# Altium PCB PDB_PCB1.PcbDoc (part 1 of 2) (continued)
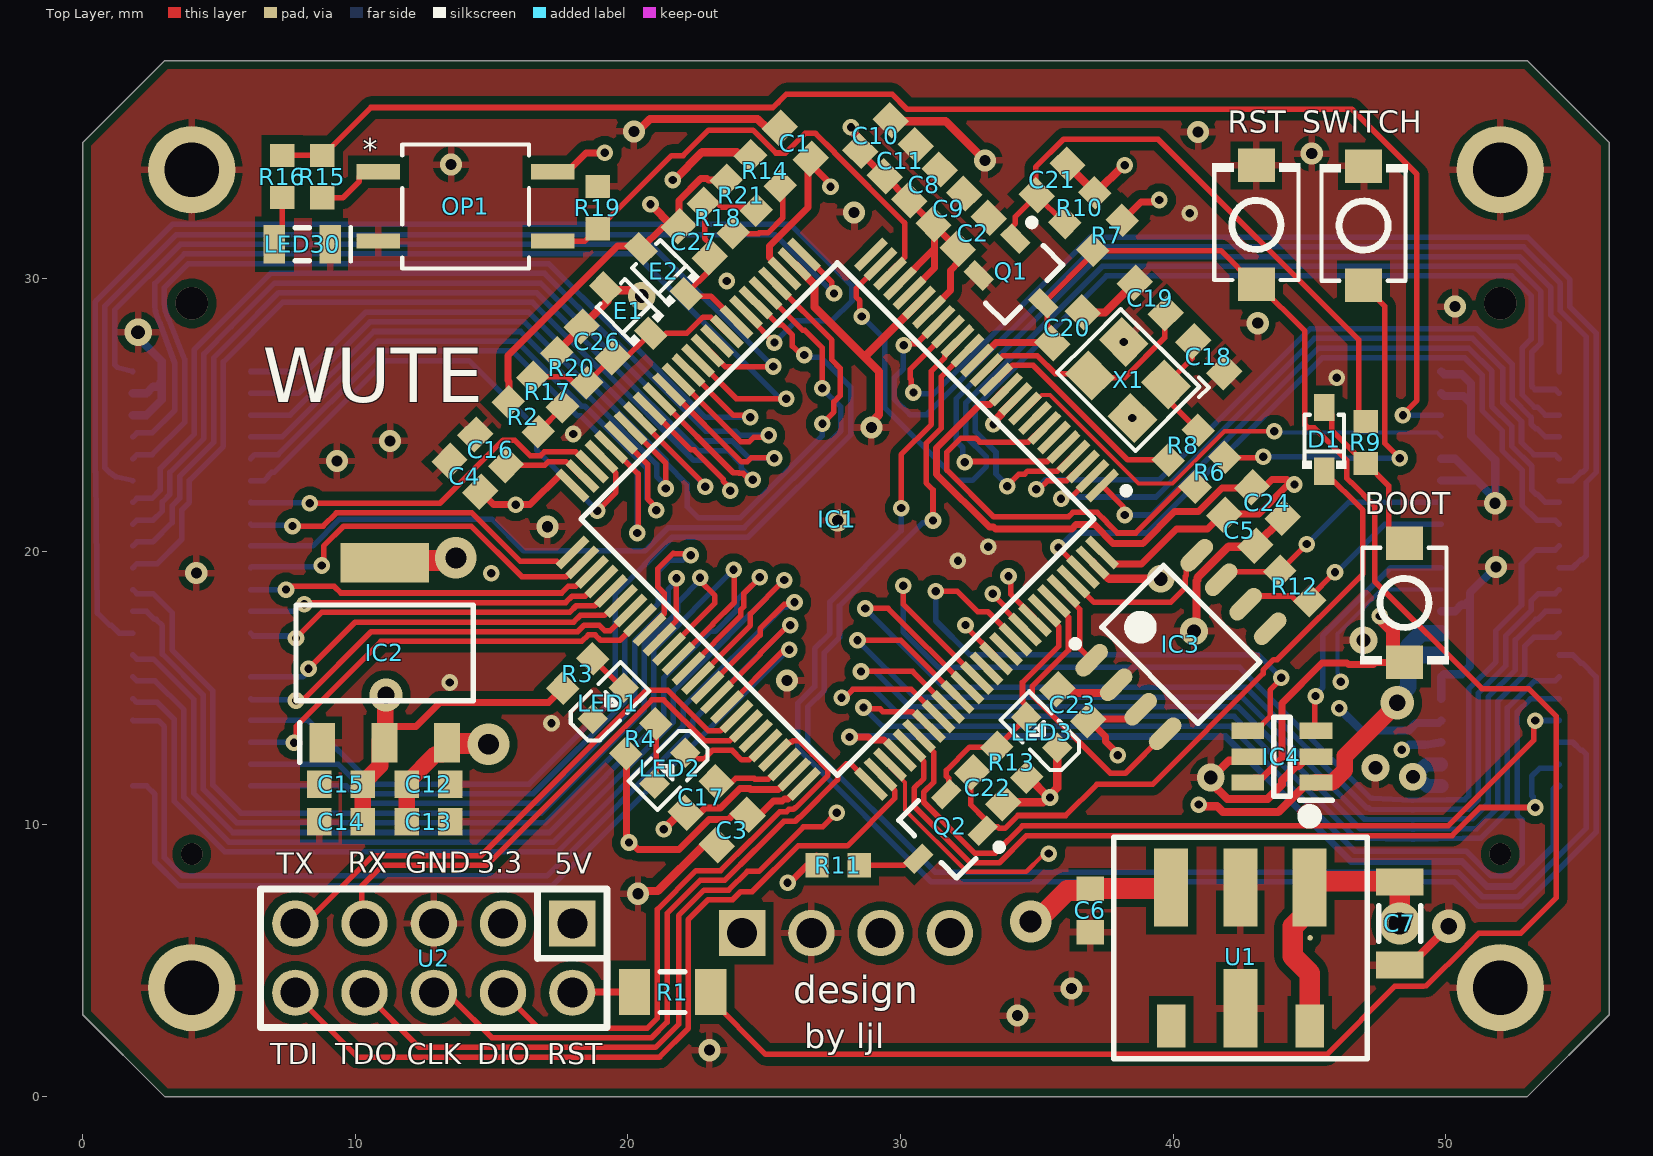
[diagram p0: Top Layer view]
## Components (designator, comment, footprint, x,y, rotation, side; value= is the part's Value field where it differs from the comment) (continued)
BOOT "TS-1088-AR02016" SW-SMD_L3.9-W3.0-P4.45 48.489,18.11 r270 top
C1 "100nF" CAPC1608X08N__0603CAPUNPOLE 26.137,34.976 r315 top
C2 "100nF" CAPC1608X08N__0603CAPUNPOLE 32.664,31.674 r225 top
C3 "100nF" CAPC1608X08N__0603CAPUNPOLE 23.825,9.779 r45 top
C4 "100nF" CAPC1608X08N__0603CAPUNPOLE 14.021,22.758 r315 top
C5 "100nF" CAPC1608X08N__0603CAPUNPOLE 42.443,20.777 r135 top
C6 "22uF\10V" CAPC1608X08N__0603CAPUNPOLE 36.957,6.833 r90 top
C7 "10uF 50V" CAPC3216X16N_1206CAPUNPOLE 48.311,6.35 r90 top
C8 "100nF" CAPC1608X08N__0603CAPUNPOLE 30.88,33.445 r225 top
C9 "10uF" CAPC1608X08N__0603CAPUNPOLE 31.775,32.563 r225 top
C10 "10uF" CAPC1608X08N__0603CAPUNPOLE 29.083,35.255 r225 top
C11 "100nF" CAPC1608X08N__0603CAPUNPOLE 29.991,34.334 r225 top
C12 "10uF" CAPC1608X08N__0603CAPUNPOLE 12.687,11.455 r180 top
C13 "100nF" CAPC1608X08N__0603CAPUNPOLE 12.687,10.084 r180 top
C14 "10uF" CAPC1608X08N__0603CAPUNPOLE 9.474,10.084 r0 top
C15 "100nF" CAPC1608X08N__0603CAPUNPOLE 9.474,11.455 r0 top
C16 "2.2uF" CAPC1608X08N__0603CAPUNPOLE 14.961,23.724 r135 top
C17 "2.2uF" CAPC1608X08N__0603CAPUNPOLE 22.682,10.973 r225 top
C18 "12pF" CAPC1608X08N__0603CAPUNPOLE 41.307,27.146 r315 top
C19 "12pF" CAPC1608X08N__0603CAPUNPOLE 39.16,29.293 r315 top
C20 "100nF" CAPC1608X08N__0603CAPUNPOLE 36.126,28.201 r225 top
C21 "100nF" CAPC1608X08N__0603CAPUNPOLE 35.56,33.63 r225 top
C22 "100nF" CAPC1608X08N__0603CAPUNPOLE 33.198,11.328 r135 top
C23 "100nF" CAPC1608X08N__0603CAPUNPOLE 36.322,14.376 r315 top
C24 "100nF" CAPC1608X08N__0603CAPUNPOLE 43.459,21.793 r135 top
C26 "100nF" CAPC1608X08N__0603CAPUNPOLE 18.873,27.685 r315 top
C27 "100nF" CAPC1608X08N__0603CAPUNPOLE 22.437,31.36 r315 top
CN1 "BTB_0.8mm_40Pin_Father" BTB_0.8MM_40PIN_F 4,19 r180 bottom
CN2 "BTB_0.8mm_40Pin_Father" BTB_0.8MM_40PIN_F 52,19 r180 bottom
D1 "1N4148WS_C2128" SOD-323_L1.8-W1.3-LS2.5-RD 45.542,24.11 r90 top
E1 "CESD3V3D3 YU" SOD-323_L1.8-W1.3-LS2.5-RD 20.009,28.835 r135 top
E2 "CESD3V3D3 YU" SOD-323_L1.8-W1.3-LS2.5-RD 21.308,30.279 r135 top
H1 "2.54-1*4P母" HDR-TH_4P-P2.54-V-F 28,6 r0 bottom
IC1 "STM32F407VET6" QFP50P1600X1600X160-100N 27.686,21.184 r225 top
IC2 "AMS1117-3.3" SOT229P700X180-4N 11.074,16.281 r90 top
IC3 "TJA1050T_CM,118" SOIC127P600X175-8N 40.284,16.586 r315 top
IC4 "SN74LVC1T45DBVR" SOT95P280X145-6N 43.993,12.471 r180 top
LED1 "0603_R" LED0603-RD_RED 19.279,14.427 r45 top
LED2 "0603_R" LED0603-RD_RED 21.539,12.04 r225 top
LED3 "0603_R" LED0603-RD_RED 35.179,13.36 r135 top
LED30 "0805-G" DIOC2012X11N__0805DIO 8.052,31.267 r180 top
OP1 "EL357N(C)(TA)-VG" SOP-4-2.54mm 14.046,32.654 r0 top
Q1 "S8050-SOT23" SOT95P245X110-3N 34.392,29.947 r135 top
Q2 "S8050-SOT23" SOT95P245X110-3N 31.496,9.576 r45 top
R1 "1K" RESC3116X06N__1206RES 21.641,3.835 r0 top
R2 "20K" RESC1608X04N_0603RES 16.163,24.934 r135 top
R3 "1K" RESC1608X04N_0603RES 18.161,15.519 r45 top
R4 "1K" RESC1608X04N_0603RES 20.472,13.132 r225 top
R6 "1K" RESC1608X04N_0603RES 41.351,22.911 r45 top
R7 "10k" RESC1608X04N_0603RES 37.592,31.598 r45 top
R8 "22Ω" RESC1608X04N_0603RES 40.375,23.891 r45 top
R9 "10K" RESC1608X04N_0603RES 47.066,23.996 r90 top
R10 "10K" RESC1608X04N_0603RES 36.576,32.614 r225 top
R11 "1K" RESC1608X04N_0603RES 27.711,8.484 r180 top
R12 "120Ω" RESC1608X04N_0603RES 44.465,18.731 r135 top
R13 "10K" RESC1608X04N_0603RES 34.087,12.268 r135 top
R14 "20K" RESC1608X04N_0603RES 25.044,33.96 r135 top
R15 "3K" RESC1608X04N_0603RES 8.788,33.749 r90 top
R16 "10K" RESC1608X04N_0603RES 7.315,33.753 r90 top
R17 "20K" RESC1608X04N_0603RES 17.052,25.849 r135 top
R18 "20K" RESC1608X04N_0603RES 23.317,32.233 r135 top
R19 "10K" RESC1608X04N_0603RES 18.898,32.614 r270 top
R20 "10K" RESC1608X04N_0603RES 17.941,26.738 r135 top
R21 "10K" RESC1608X04N_0603RES 24.155,33.071 r135 top
RST "TS-1088-AR02016" SW-SMD_L3.9-W3.0-P4.45 43.053,31.979 r90 top
SWITCH "TS-1088-AR02016" SW-SMD_L3.9-W3.0-P4.45 46.99,31.953 r90 top
U1 "K7805MT_1000R4" K7805MT_500R4 42.469,5.456 r180 top
U2 "ZX-PZ2.54-2-5PZZ" HDR-TH_10P-P2.54-V-M-R2-C5-S2.54 12.878,5.08 r180 top
X1 "X322525MOB4SI" OSC-SMD_4P-L3.2-W2.5-BL 38.347,26.289 r135 top value=25MHz

## Footprints (in the part's own frame and the unit in brackets; to place one, negate y for a bottom-side part, rotate by r counter-clockwise, add the part's x,y. Pads: shape width x height; smd on the part's side, far side on the other; paste and mask are expansions set on the pad)
BTB_0.8MM_40PIN_F [mm] "0.8单槽板对板公母座合高5.0，母座，40PIN"
  rect 1.5x0.5 smd: 1(2.16,7.6) 2(2.16,6.8) 3(2.16,6) 4(2.16,5.2) 5(2.16,4.4) 6(2.16,3.6) 7(2.16,2.8) 8(2.16,2) 9(2.16,1.2) 10(2.16,0.4) 11(2.16,-0.4) 12(2.16,-1.2) 13(2.16,-2) 14(2.16,-2.8) 15(2.16,-3.6) 16(2.16,-4.4) 17(2.16,-5.2) 18(2.16,-6) 19(2.16,-6.8) 20(2.16,-7.6) 21(-2.16,-7.6) 22(-2.16,-6.8) 23(-2.16,-6) 24(-2.16,-5.2) 25(-2.16,-4.4) 26(-2.16,-3.6) 27(-2.16,-2.8) 28(-2.16,-2) 29(-2.16,-1.2) 30(-2.16,-0.4) 31(-2.16,0.4) 32(-2.16,1.2) 33(-2.16,2) 34(-2.16,2.8) 35(-2.16,3.6) 36(-2.16,4.4) 37(-2.16,5.2) 38(-2.16,6) 39(-2.16,6.8) 40(-2.16,7.6)
  silkscreen extent -2.16,-11 2.16,11
CAPC1608X08N__0603CAPUNPOLE [mm] "Chip Capacitor, 2-Leads, Body 1.60x0.80mm, IPC Medium Density"
  rect 0.9x1 smd: 1(-0.8,0) 2(0.8,0)
  body extent -0.8,-0.4 0.8,0.4, height 0.81
CAPC3216X16N_1206CAPUNPOLE [mm] "Chip Capacitor, 2-Leads, Body 3.20x1.60mm, IPC Medium Density"
  rect 1x1.75 smd: 1(-1.525,0) 2(1.525,0)
  silkscreen extent -0.65,-0.77 0.65,0.77, body extent -1.6,-0.8 1.6,0.8, height 1.7
DIOC2012X11N__0805DIO [mm] "Chip Diode, 2-Leads, Body 2.00x1.25mm, IPC Medium Density"
  rect 0.8x1.4 smd: 1(-1.025,0) 2(1.025,0)
  silkscreen extent -1.78,-0.63 0.25,0.63, body extent -1,-0.63 1,0.62, height 0.78
HDR-TH_4P-P2.54-V-F [mm]
  rect 1.7x1.7 hole 1.1: 1(-3.81,0)
  round 1.7 hole 1.1: 2(-1.27,0) 3(1.27,0) 4(3.81,0)
  silkscreen extent -5.29,-1.27 5.29,1.27
HDR-TH_10P-P2.54-V-M-R2-C5-S2.54 [mm]
  rect 1.7x1.7 hole 1.1: 1(-5.08,-1.27)
  round 1.7 hole 1.1: 2(-5.08,1.27) 3(-2.54,-1.27) 4(-2.54,1.27) 5(0,-1.27) 6(0,1.27) 7(2.54,-1.27) 8(2.54,1.27) 9(5.08,-1.27) 10(5.08,1.27)
  silkscreen extent -6.35,-2.54 6.35,2.54
K7805MT_500R4 [mm]
  round 0.2 smd mask+0.1: 0(-2.557,-0.369)
  rect 1.25x2.87 smd mask+0.102: 1(-2.54,-2.215) 2(0,-2.215) 3(2.54,-2.215) 5(0,2.215)
  rect 1.05x1.58 smd mask+0.102: 4(2.54,2.86) 6(-2.54,2.86)
  silkscreen extent -4.65,-5.03 4.65,4.06, body extent -4.37,-3.53 4.63,3.47, height 3.1
LED0603-RD_RED [mm]
  rect 0.8x0.8 smd: 1(-0.8,-0.003) 2(0.8,0.003)
  silkscreen extent -1.49,-0.75 1.39,0.76
OSC-SMD_4P-L3.2-W2.5-BL [mm]
  rect 1.4x1.2 smd: 1(-1.1,-0.875) 2(1.1,-0.875) 3(1.1,0.875) 4(-1.1,0.875)
  silkscreen extent -2.29,-1.9 2.03,1.65
QFP50P1600X1600X160-100N [mm]
  rect 1.475x0.3 smd: 1(-7.738,6) 2(-7.738,5.5) 3(-7.738,5) 4(-7.738,4.5) 5(-7.738,4) 6(-7.738,3.5) 7(-7.738,3) 8(-7.738,2.5) 9(-7.738,2) 10(-7.738,1.5) 11(-7.738,1) 12(-7.738,0.5) 13(-7.738,0) 14(-7.738,-0.5) 15(-7.738,-1) 16(-7.738,-1.5) 17(-7.738,-2) 18(-7.738,-2.5) 19(-7.738,-3) 20(-7.738,-3.5) 21(-7.738,-4) 22(-7.738,-4.5) 23(-7.738,-5) 24(-7.738,-5.5) 25(-7.738,-6) 51(7.738,-6) 52(7.738,-5.5) 53(7.738,-5) 54(7.738,-4.5) 55(7.738,-4) 56(7.738,-3.5) 57(7.738,-3) 58(7.738,-2.5) 59(7.738,-2) 60(7.738,-1.5) 61(7.738,-1) 62(7.738,-0.5) 63(7.738,0) 64(7.738,0.5) 65(7.738,1) 66(7.738,1.5) 67(7.738,2) 68(7.738,2.5) 69(7.738,3) 70(7.738,3.5) 71(7.738,4) 72(7.738,4.5) 73(7.738,5) 74(7.738,5.5) 75(7.738,6)
  rect 0.3x1.475 smd: 26(-6,-7.738) 27(-5.5,-7.738) 28(-5,-7.738) 29(-4.5,-7.738) 30(-4,-7.738) 31(-3.5,-7.738) 32(-3,-7.738) 33(-2.5,-7.738) 34(-2,-7.738) 35(-1.5,-7.738) 36(-1,-7.738) 37(-0.5,-7.738) 38(0,-7.738) 39(0.5,-7.738) 40(1,-7.738) 41(1.5,-7.738) 42(2,-7.738) 43(2.5,-7.738) 44(3,-7.738) 45(3.5,-7.738) 46(4,-7.738) 47(4.5,-7.738) 48(5,-7.738) 49(5.5,-7.738) 50(6,-7.738) 76(6,7.738) 77(5.5,7.738) 78(5,7.738) 79(4.5,7.738) 80(4,7.738) 81(3.5,7.738) 82(3,7.738) 83(2.5,7.738) 84(2,7.738) 85(1.5,7.738) 86(1,7.738) 87(0.5,7.738) 88(0,7.738) 89(-0.5,7.738) 90(-1,7.738) 91(-1.5,7.738) 92(-2,7.738) 93(-2.5,7.738) 94(-3,7.738) 95(-3.5,7.738) 96(-4,7.738) 97(-4.5,7.738) 98(-5,7.738) 99(-5.5,7.738) 100(-6,7.738)
  silkscreen extent -8.35,-6.65 6.65,6.87, body extent -8,-8 8,8, height 1.6
RESC1608X04N_0603RES [mm] "Chip Resistor, 2-Leads, Body 1.60x0.80mm, IPC Medium Density"
  rect 0.85x0.9 smd: 1(-0.775,0) 2(0.775,0)
  body extent -0.8,-0.4 0.8,0.4, height 0.47
RESC3116X06N__1206RES [mm] "Chip Resistor, 2-Leads, Body 3.10x1.58mm, IPC Medium Density"
  rect 1.15x1.7 smd: 1(-1.4,0) 2(1.4,0)
  silkscreen extent -0.45,-0.75 0.45,0.75, body extent -1.6,-0.8 1.6,0.8, height 0.62
SOD-323_L1.8-W1.3-LS2.5-RD [mm]
  rect 1x0.75 smd: 1(-1.173,0) 2(1.173,0)
  silkscreen extent -1.08,-0.8 0.9,0.8
SOIC127P600X175-8N [mm] "SOIC, 8-Leads, Body 4.90x3.89mm, Pitch 1.27mm, IPC Medium Density"
  oval 0.6x1.45 smd: 1(-1.905,-2.725) 2(-0.635,-2.725) 3(0.635,-2.725) 4(1.905,-2.725) 5(1.905,2.725) 6(0.635,2.725) 7(-0.635,2.725) 8(-1.905,2.725)
  silkscreen extent -2.88,-2.85 2.5,1.6, body extent -2.5,-3.08 2.5,3.08, height 2
SOP-4-2.54mm [mil]
  rect 63x22 smd paste+0 mask+0: 1(-126,50) 2(-126,-50) 3(126,-50) 4(126,50)
  silkscreen extent -92,-90 91,90, body extent -144,-84 144,84, height 79
SOT95P245X110-3N [mm] "SOT23, 3-Leads, Body 2.90x2.45mm, Pitch 0.95mm, IPC Medium Density"
  rect 1x0.6 smd: 1(1.2,-0.95) 2(1.2,0.95) 3(-1.2,0)
  silkscreen extent -0.7,-1.92 1.32,1.5, body extent -1.18,-1.45 1.18,1.45, height 1
SOT95P280X145-6N [mm]
  rect 1.2x0.6 smd: 1(-1.25,0.95) 2(-1.25,0) 3(-1.25,-0.95) 4(1.25,-0.95) 5(1.25,0) 6(1.25,0.95)
  silkscreen extent -1.85,-1.45 0.3,1.6, body extent -1.4,-1.45 1.4,1.45, height 1.2
SOT229P700X180-4N [mm]
  rect 1.45x0.95 smd: 1(-3.3,2.29) 2(-3.3,0) 3(-3.3,-2.29)
  rect 1.45x3.25 smd: 4(3.3,0)
  silkscreen extent -4.03,-3.25 1.75,3.25, body extent -3.35,-3.15 3.35,3.15, height 1.8
SW-SMD_L3.9-W3.0-P4.45 [mm]
  rect 1.23x1.36 smd: 1(-2.185,0) 2(2.185,0)
  silkscreen extent -2.03,-1.62 2.25,1.62

## Part data
BOOT RST SWITCH: "Switch", Manufacturer_Name=XUNPU, Datasheet Link=https://www.xunpudianzi.com/uploads/pdf/TS-1088-ARXXX.pdf, Height=2mm, Manufacturer_Part_Number=TS-1088-AR02016
C1 C2 C3 C4 C5 C8 C9 C10 C11 C12 C13 C14 C15 C16 C17 C18 C19 C20 C21 C22 C23 C24 C26 C27: library part SMD_MLCC, "Std MLCC Cap", voltage rating=?V
  C1 C2 C3 C4 C5 C8 C11 C13 C15 C20 C21 C22 C23 C24 C26 C27: Type=100nF
  C9 C10 C12 C14: Type=10uF
  C16 C17: Type=2.2uF
  C18 C19: Type=12pF
C6 C7: library part SMD_MLCC, "Std MLCC Cap"
  C6: Type=22uF\10V
  C7: Type="10uF 50V"
D1: "二极管配置:独立式;功率:200mW;直流反向耐压(Vr):100V;平均整流电流(Io):150mA;正向压降(Vf):1.25V@150mA;反向电流(Ir):1uA@75V;反向恢复时间(trr):4ns;工作温度:+150℃@(Tj);", Average Rectified Current (Io)=150mA, Forward Voltage (Vf@If)=1.25V@150mA, LCSC Part Name="100V 150mA 4ns T4", Manufacturer=CJ(江苏长电/长晶), Manufacturer Part=1N4148WS, Operating Temperature=+150℃@(Tj), Power Dissipation=200mW, Reverse Leakage Current=1uA@75V, Reverse Voltage (Vr)=100V, Add into BOM=yes, Convert to PCB=yes, Device=1N4148WS_C2128, Diode Configuration=独立式, Name=1N4148WS, Reverse Recovery Time (trr)=4ns, Supplier=LCSC, Supplier Footprint=SOD-323, Supplier Part=C2128, Symbol="1N4148WS T4"
E1 E2: "极性:单向;反向截止电压(Vrwm):3.3V;击穿电压(VBR):5V;钳位电压(Vc)@Ipp:13V;", Breakdown Voltage (VBR)=5V, Clamping Voltage@Ipp=13V, LCSC Part Name=单向ESD, Manufacturer=CJ(江苏长电/长晶), Peak Pulse Current(Ipp)@8/20us=16A, Reverse Stand-Off Voltage (Vrwm)=3.3V, Add into BOM=yes, Convert to PCB=yes, Datasheet=https://atta.szlcsc.com/upload/public/pdf/source/20150915/1457707371129.pdf, Device="CESD3V3D3 YU", Manufacturer Part="CESD3V3D3 YU", Name="CESD3V3D3 YU", Polarity=单向, Supplier=LCSC, Supplier Footprint=SOD-323, Supplier Part=C38388, Symbol=CESD3V3D3
H1: "立创编号：C2718488", Current Rating (Max)=3A, JLCPCB Part Class="Extended Part", LCSC Part Name="间距:2.54mm 1x4P 直插", Manufacturer=BOOMELE(博穆精密), Operating Temperature Range=-40℃~+105℃, Soldering Temperature(Max)=-, Add into BOM=yes, Circular Hole / Square Hole=方孔, Contact Material=青铜, Contact Plating=-, Convert to PCB=yes, Datasheet=https://atta.szlcsc.com/upload/public/pdf/source/20210301/C2718488_F4427B881E42CAA8DDB0B1C12B3A522C.pdf, Device=2.54-1*4P母, Holes Direction=顶部, Holes Structure=1x4P, Insulation Height=-, Manufacturer Part=2.54-1*4P母, Mounting Type=直插, Number of Holes=4P, Number of Rows=单排, Pitch=2.54mm, Row Spacing=-, Supplier=LCSC, Supplier Footprint=插件,P=2.54mm, Supplier Part=C2718488, Symbol=2.54-1*4P母, Voltage Rating (Max)=-
IC1: "Integrated Circuit", Manufacturer_Name=STMicroelectronics, Mouser Part Number=511-STM32F407VET6, Arrow Part Number=STM32F407VET6, Arrow Price/Stock=https://www.arrow.com/en/products/stm32f407vet6/stmicroelectronics?region=nac, Datasheet Link=http://www.st.com/web/en/resource/technical/document/datasheet/DM00037051.pdf, Height=1.6mm, Manufacturer_Part_Number=STM32F407VET6, Mouser Price/Stock=https://www.mouser.co.uk/ProductDetail/STMicroelectronics/STM32F407VET6?qs=Z8%252BeY1k3TIJFAMMqSR%252BGtw%3D%3D
IC2: "Integrated Circuit", Manufacturer_Name=Advanced, Datasheet Link=https://datasheet.datasheetarchive.com/originals/distributors/Datasheets-28/DSA-550594.pdf, Height=1.8mm, Manufacturer_Part_Number=AMS1117-3.3
IC3: "Integrated Circuit", Arrow Part Number=TJA1050T/CM,118, Manufacturer_Name=NXP, Mouser Part Number=771-TJA1050T/CM118, Arrow Price/Stock=https://www.arrow.com/en/products/tja1050tcm118/nxp-semiconductors?region=europe, Datasheet Link=http://www.nxp.com/docs/en/data-sheet/TJA1050.pdf, Height=1.75mm, Manufacturer_Part_Number=TJA1050T/CM,118, Mouser Price/Stock=https://www.mouser.co.uk/ProductDetail/NXP-Semiconductors/TJA1050T-CM118?qs=5XOdhvmYM0NFFspw0VP5sA%3D%3D
IC4: "Integrated Circuit / 电平转换模块 立创编号：C7843", Manufacturer_Name="Texas Instruments", Mouser Part Number=595-SN74LVC1T45DBVR, Arrow Part Number=SN74LVC1T45DBVR, Arrow Price/Stock=https://www.arrow.com/en/products/sn74lvc1t45dbvr/texas-instruments?region=nac, Datasheet Link=https://componentsearchengine.com/Datasheets/2/SN74LVC1T45DBVR.pdf, Height=1.45mm, Manufacturer_Part_Number=SN74LVC1T45DBVR, Mouser Price/Stock=https://www.mouser.co.uk/ProductDetail/Texas-Instruments/SN74LVC1T45DBVR?qs=pajgIaoyDUhg6sKXdsM%2Fvg%3D%3D
LED1 LED2 LED3 LED30: library part LED, "Light Emitting Diode", Type2=DIP-HDR1*2-R
  LED1 LED2 LED3: Type=0805-R
  LED30: Type=0805-G
OP1: "No Description Available / 立创编号：C108648", Mfr_Name=Everlight, RefDes=RefDes, Type=Type
Q1 Q2: library part S8050, "Jellybeam NPN", Type=S8050-SOT23
R1 R2 R3 R4 R6 R7 R8 R9 R10 R11 R12 R13 R14 R20 R21: library part SMD_Resistor, "Std Resistor", power rating=100mW, voltage rating=75V
  R1 R3 R4 R6 R11: Type=1K
  R2 R14: Type=20K
  R7: Type=10k
  R8: Type=22Ω
  R9 R10 R13 R20 R21: Type=10K
  R12: Type=120Ω
R15 R16 R17 R18 R19: library part SMD_Resistor, "Std Resistor"
  R15: Type=3K
  R16 R19: Type=10K
  R17 R18: Type=20K
U1: library part K78052MT_1000R4
U2: Color=黑色, Current Rating (Max)=3A, JLCPCB Part Class="Extended Part", LCSC Part Name="间距:2.54mm 2x5P 直插 方针", Manufacturer=Megastar(兆星), Operating Temperature Range=-40℃~+105℃, Soldering Temperature(Max)=260℃@5s, Voltage Rating (Max)=1kV, Add into BOM=yes, Circluar Pins/Square Pins=方针, Contact Material=黄铜, Contact Plating=金, Convert to PCB=yes, Datasheet=https://atta.szlcsc.com/upload/public/pdf/source/20231122/7DD2FA5A7FDBC10CDDB6051CB6BC6AD1.pdf, Device=ZX-PZ2.54-2-5PZZ, Insulation Height=2.5mm, Length of End Connection Pin=3mm, Length of Mating Pin=6mm, Manufacturer Part=ZX-PZ2.54-2-5PZZ, Mounting Type=直插, Number of Pins=5P, Number of Rows=双排, Pin Structure=2x5P, Pitch=2.54mm, Row Spacing=2.54mm, Supplier=LCSC, Supplier Footprint=插件,P=2.54mm, Supplier Part=C7501276, Symbol=ZX-PZ2.54-2-5PZZ
X1: "频率:25MHz;频率公差:±10ppm;负载电容:12pF;", Frequency Stability=±30ppm, Frequency Tolerance=±10ppm, LCSC Part Name="25MHz ±10ppm 12pF YSX321SL", Load Capacitance=12pF, Manufacturer=YXC(扬兴晶振), Operating Temperature=-40℃~+85℃, Add into BOM=yes, Convert to PCB=yes, Crystal Type=贴片无源晶振, Datasheet=https://atta.szlcsc.com/upload/public/pdf/source/20210329/C112971_1F611BDC486E193C1706F6D8EB5AA189.pdf, Device=X322525MOB4SI, Manufacturer Part=X322525MOB4SI, Name=25MHz, Supplier=LCSC, Supplier Footprint=SMD3225-4P, Supplier Part=C9006, Symbol=X322525MOB4SI
CN1 CN2: System=Connector

## Free pads (board coordinates)
  round 3.2 hole 2: 3(4,4) 4(4,34) 5(52,34) 6(52,4)

## Via types
v1: diameter 0.61, hole 0.305, Top Layer to Bottom Layer, 100 vias
v2: diameter 0.813, hole 0.406, Top Layer to Bottom Layer, 21 vias
v3: diameter 1.016, hole 0.508, Top Layer to Bottom Layer, 8 vias
v4: diameter 1.219, hole 0.61, Top Layer to Bottom Layer, 3 vias
v5: diameter 1.524, hole 0.762, Top Layer to Bottom Layer, 2 vias
v6: diameter 1.524, hole 0.813, Top Layer to Bottom Layer, 2 vias
v7: diameter 1.2, hole 1.2, Top Layer to Bottom Layer, 2 vias
v8: diameter 0.8, hole 0.8, Top Layer to Bottom Layer, 2 vias

## Nets (pads, with @x,y where several pads share a name; then routed paths per layer and width w, separated by ;. In a path a pad name is that pad's centre, name@x,y a point inside that pad or via, vN(x,y) a via of type N, cw(c..) or ccw(c..) an arc to the next point about the centre after c; other vN are vias at no path point)
3.3V: BOOT.2 C1.2 C2.2 C3.2 C4.2 C5.2 C8.2 C9.2 C10.2 C11.2 C14.2 C15.2 C24.2 IC1.11 IC1.19 IC1.21 IC1.22 IC1.28 IC1.50 IC1.75 IC1.100 IC2.2 IC2.4 IC4.6 OP1.4 R3.1 R4.2 R7.2 R11.2 U2.3 | length 192.1
  Top Layer w0.254: IC2.2@11.074,13.231 11.422,13.579 12.233,13.579 13.106,14.453 17.094,14.453 R3.1@17.613,14.971 ; IC2.4@11.074,19.581 IC2.4@11.136,19.643 ; C4.2@14.586,22.193 14.6,22.193 15.076,21.717 v1(15.88,21.717) 16.413,21.717 17.524,22.828 17.556,22.828 IC1.50@17.972,22.413 ; OP1.4@17.247,33.924 17.767,33.924 18.463,34.62 v1(19.152,34.62) ; R4.2@19.924,12.584 19.942,12.566 v1@19.942,9.517 ; v1(20.041,9.322) 20.113,9.322 20.367,9.068 21.879,9.068 22.976,10.164 23.683,10.164 23.899,10.38 24.356,10.38 24.426,10.309 24.813,10.309 25.341,10.838 25.66,10.838 25.739,10.916 25.871,10.916 26.425,11.469 IC1.75@26.457,11.469 ; IC1.28@25.75,30.191 25.75,30.223 25.197,30.777 25.197,31.211 26.609,32.624 26.609,34.3 27.364,33.545 27.364,33.444 v1(27.432,33.376) ; v1(25.857,7.849) 25.94,7.849 R11.2@26.911,8.82 ; C10.2@28.51,34.657 29.399,33.768 C11.2@29.425,33.768 C8.2@30.314,32.879 31.196,31.997 C9.2@31.21,31.997 C9.2@31.245,31.962 ; IC1.22@29.976,29.837 31.245,31.107 ; IC1.21@30.329,29.484 31.245,30.4 31.245,31.107 ; IC1.19@31.036,28.777 31.827,29.567 31.827,30.309 32.134,30.616 32.134,31.073 C9.2@31.245,31.962 ; IC1.11@33.865,25.948 33.832,25.948 33.279,25.395 32.914,25.395 31.318,23.799 31.318,22.829 33.258,20.89 33.415,20.89 33.477,20.828 36.285,20.828 36.438,20.98 37.11,20.98 37.796,20.295 38.887,20.295 40.057,21.465 40.937,21.465 41.795,22.324 42.858,22.324 C24.2@42.894,22.359 43.351,22.359 43.623,22.631 44.176,22.631 v1@44.287,22.521 ; IC1.100@37.4,19.955 37.816,19.539 38.838,19.539 40.127,20.828 41.261,20.828 41.776,21.343 C5.2@41.878,21.343 41.913,21.378 43.144,21.378 v1@44.22,22.454 ; R7.2@38.14,32.146 38.819,32.825 39.429,32.825 v1(39.497,32.893) ; IC4.6@42.795,11.521 42.968,11.694 43.261,11.694 43.993,12.426 43.993,14.429 45.469,15.905 46.386,15.905 46.437,15.854 47.354,15.854 47.426,15.925 48.424,15.925 BOOT.2@48.489,15.925 ; 31.245,31.107 C9.2@31.245,31.962
  Top Layer w0.305: v1(28.183,35.56) 28.241,35.502 28.241,35.386 28.517,35.11 C10.2@28.517,34.69
  Top Layer w0.508: v1(47.579,17.63) 47.579,17.602 48.063,17.118 48.063,16.286 BOOT.2@48.424,15.925
  Top Layer w0.61: C14.2@10.274,10.084 C15.2@10.274,11.455 10.274,11.505 10.904,12.135 10.904,13.061 11.1,13.257 11.1,14.707 v4(11.125,14.732)
  Top Layer w0.762: IC2.4@11.136,19.643 11.164,19.671 13.601,19.671 v5(13.691,19.761)
  POWER w0.254: 26.619,35.973 27.432,35.16 v1(27.432,33.376)
  POWER w0.305: v5(13.691,19.761) 13.842,19.761 15.798,21.717 v1(15.88,21.717)
  POWER w0.457: 12.916,16.853 16.464,13.305 16.464,12.899 21.514,7.849 v1(25.857,7.849)
  POWER w0.508: 18.898,32.385 19.152,32.639 v1(19.152,34.62) ; 36.41,33.084 36.601,32.893 v1(39.497,32.893) ; 42.887,26.608 44.528,24.966 44.528,22.559 44.45,22.481 v1(44.45,22.454) 47.447,19.456 47.447,18.826 47.44,18.819 47.562,18.696 47.562,17.646 v1(47.579,17.63)
  POWER w1.016: U2.3@15.418,6.35 11.125,10.643 11.125,14.787 11.164,14.826 11.164,15.101 13.593,17.53 13.593,19.664 v5(13.691,19.761) 13.691,27.178 18.898,32.385 ; 19.152,32.639 22.486,35.973 26.619,35.973 27.77,35.973 ; 28.125,35.973 33.521,35.973 36.41,33.084 ; 36.601,32.893 42.887,26.608
5V: C6.2 C12.2 C13.2 C23.2 CN2.13 CN2.14 H1.1 IC2.3 IC3.3 IC4.1 U1.3 U2.1 | length 69.2
  Top Layer w0.254: C23.2@36.913,13.811 37.513,13.211 37.513,13.032 37.973,12.571 v1(37.973,12.522) ; C23.2@36.923,13.846 38.442,13.846 IC3.3@38.807,14.21
  Top Layer w0.305: v1(40.945,10.713) 41.003,10.655 41.607,10.655 41.822,10.439 43.861,10.439 44.943,11.521 IC4.1@45.243,11.521
  Top Layer w0.61: C13.2@11.887,10.084 C12.2@11.887,11.455 11.887,11.505 12.943,12.561 13.194,12.561 IC2.3@13.364,12.731 ; IC4.1@45.243,11.521 45.248,11.526 45.844,11.526 46.3,11.982 46.3,12.493 48.226,14.419 v4(48.226,14.447)
  Top Layer w0.762: IC2.3@13.364,12.731 13.364,12.861 13.458,12.955 14.858,12.955 v5(14.884,12.929) ; v6(34.771,6.424) 34.976,6.424 36.116,7.564 36.888,7.564 C6.2@36.957,7.633 39.891,7.633 U1.3@39.929,7.671
  POWER w0.508: v6@35.126,7.054 35.126,7.313 37.973,10.16 ; v1(37.973,12.522) 37.973,10.16 ; v1(40.945,10.713) 39.515,10.713 38.962,10.16 37.973,10.16
  POWER w0.61: 23.891,3.378 23.927,3.414 H1.1@23.927,5.944
  POWER w1.016: v5(14.884,12.929) 14.787,12.831 14.787,9.521 18.3,6.008 20.93,3.378 23.891,3.378 32.766,3.378 34.691,5.303 34.691,6.343 v6(34.771,6.424)
  Bottom Layer w0.61: v4(48.226,14.447) 48.226,14.612 48.633,15.018 48.633,15.839 ; CN2.14@49.84,16.2 48.993,16.2 48.633,15.839 ; CN2.13@49.84,17 49.106,17 48.633,16.527 48.633,15.839
ACCU_PWR_EN: CN1.36 IC1.46 | length 23.5
  Top Layer w0.203: IC1.46@19.386,23.827 20.371,22.842 20.371,20.701 v1(20.347,20.677)
  Bottom Layer w0.203: CN1.36@6.16,23.4 6.308,23.548 7.165,23.548 10.972,27.356 15.769,27.356 18.156,24.968 18.272,24.968 20.344,22.897 20.344,20.68 v1(20.347,20.677)
ACCU_UBR_EN: CN1.15 IC1.64 | length 37.8
  Top Layer w0.203: IC1.64@22.568,15.358 24.491,17.282 24.491,17.709 v1(25.73,18.948)
  Bottom Layer w0.203: CN1.15@1.84,15.4 1.988,15.252 2.655,15.252 3.708,14.199 3.708,10.984 5.359,9.333 17.262,9.333 21.666,13.737 21.666,14.884 v1(25.73,18.948)
BACKUP_PC10: CN2.11 IC1.78 | length 30.8
  Top Layer w0.152: IC1.78@29.622,12.176 29.622,12.072 30.167,11.527 30.167,10.515 32.435,8.247 34.612,8.247 35.193,8.828 35.346,8.828 v1(35.433,8.915)
  POWER w0.152: v1(35.433,8.915) 36.615,10.098 36.615,12.062 37.71,13.157 45.714,13.157 45.777,13.157 46.025,13.157 46.761,13.894 46.761,14.492 46.149,15.104 v1(46.149,15.219)
  Bottom Layer w0.152: v1(46.149,15.219) 46.062,15.306 46.062,15.509 46.035,15.537 46.035,16.977 47.08,18.022 cw(c47.579,17.63) 47.135,18.084 47.616,18.556 47.661,18.6 CN2.11@49.84,18.6
BACKUP_PC15: CN2.4 IC1.9 | length 17.7
  Top Layer w0.152: IC1.9@34.572,25.241 34.676,25.241 35.179,25.744 35.486,25.744 38.734,22.495 39.976,22.495 41.888,24.407 v1(43.716,24.407)
  Bottom Layer w0.152: v1(43.716,24.407) 43.764,24.359 49.681,24.359 CN2.4@49.84,24.2
BAT_voltage_IN14: C27.2 E2.1 IC1.33 R18.2 R21.1 | length 8.3
  Top Layer w0.203: R18.2@22.795,32.806 23.248,32.806 23.431,32.624 24.262,32.624 24.305,32.581 24.347,32.624 R21.1@24.796,32.624 ; R18.2@22.846,32.866 22.846,32.4 22.777,32.331 22.811,32.297 22.811,31.484 23.005,31.29 23.005,30.797 C27.2@23.002,30.795 23.002,30.315 E2.1@22.138,29.45 22.226,29.362 23.044,29.362 IC1.33@23.982,28.423
BAT_voltage_IN15: C26.2 E1.1 IC1.34 R17.2 R20.1 | length 8.5
  Top Layer w0.203: R17.2@16.504,26.397 16.522,26.414 17.269,26.414 17.27,26.413 17.773,26.413 18.014,26.172 18.491,26.172 C26.2@19.439,27.119 19.931,27.119 20.296,27.484 20.316,27.484 E1.1@20.838,28.006 20.927,27.918 21.313,27.918 21.402,28.006 22.163,28.006 22.754,28.597 23.032,28.597 23.56,28.069 IC1.34@23.629,28.069
BATTERY_1: CN2.18 R14.2 | length 41.1
  Top Layer w0.305: v1(21.646,33.624) 21.7,33.624 22.722,34.646 23.989,34.646 24.119,34.516 24.504,34.516 R14.2@24.53,34.541
  POWER w0.305: v1(21.646,33.624) 23.673,31.598 30.777,31.598 47.21,15.164 47.21,13.736 48.094,12.852 48.172,12.852 48.305,12.719 v1(48.387,12.719)
  Bottom Layer w0.305: v1(48.387,12.719) 48.469,12.719 48.652,12.902 49.242,12.902 CN2.18@49.84,13
BATTERY_2: C27.1 CN2.17 E2.2 R2.2 R21.2 | length 51.4
  Top Layer w0.254: R2.2@15.615,25.482 15.633,25.5 15.633,26.236 15.606,26.263 15.606,27.192 19.61,31.197 20.391,31.197 E2.2@20.479,31.108 C27.1@21.262,31.891 ; C27.1@21.871,31.926 21.906,31.961 21.906,32.418 21.871,32.454 21.871,32.879 22.671,33.679 22.903,33.679 22.955,33.627 23.615,33.627 R21.2@23.633,33.644
  Top Layer w0.305: v1(20.828,32.741) 21.642,31.926 C27.1@21.871,31.926
  POWER w0.305: v1(20.828,32.741) 22.936,30.632 24.044,30.632 27.178,27.498 27.178,27.442 34.028,20.592 34.171,20.592 40.84,13.922 45.762,13.922 46.086,14.246 v1(46.093,14.246)
  Bottom Layer w0.305: v1(46.093,14.246) 46.908,13.431 48.647,13.431 48.919,13.702 49.742,13.702 CN2.17@49.84,13.8
BDU_PWR_EN: CN1.29 IC1.54 | length 13.3
  Top Layer w0.203: v1(8.128,18.059) 8.188,18.119 17.713,18.119 17.957,18.363 18.433,18.363 18.964,18.894 IC1.54@19.032,18.894
  Bottom Layer w0.203: CN1.29@6.16,17.8 7.759,17.8 8.018,18.059 v1(8.128,18.059)
BOOT0: IC1.94 LED3.2 Q2.2 R13.2 | length 9.5
  Top Layer w0.203: Q2.2@31.622,11.096 31.763,11.238 31.763,11.671 31.681,11.754 31.681,11.964 32.537,12.82 33.042,12.82 33.064,12.799 33.521,12.799 R13.2@33.539,12.816 34.611,13.889 LED3.2@34.611,13.923 34.611,14.345 34.475,14.482 34.475,15.196 35.807,16.528 35.807,17.237 35.279,17.765 IC1.94@35.279,17.833
BSPD_PWR_EN: CN1.37 IC1.45 | length 22.8
  Top Layer w0.203: IC1.45@19.74,24.18 20.726,23.193 20.726,21.928 21.036,21.618 v1(21.036,21.508)
  Bottom Layer w0.203: CN1.37@6.16,24.2 7.313,24.2 10.825,27.711 15.916,27.711 18.303,25.324 18.42,25.324 20.7,23.044 20.7,21.954 21.036,21.618 v1(21.036,21.508)
BUZZER_PWR_EN: CN1.22 IC1.59 | length 26.4
  Top Layer w0.203: IC1.59@20.8,17.126 20.8,17.195 21.328,17.723 21.328,18.465 21.088,18.705 21.088,19.361 21.666,19.939 21.692,19.914 22.247,19.914 v1(22.301,19.86)
  Bottom Layer w0.203: CN1.22@6.16,12.2 9.37,12.2 10.459,11.111 16.526,11.111 19.888,14.473 19.888,16.855 21.121,18.088 21.121,19.285 21.507,19.672 22.003,19.672 22.191,19.86 v1(22.301,19.86)
CAN1_RX_PB8: IC1.95 IC3.4 | length 10.9
  Top Layer w0.203: IC1.95@35.632,18.187 35.632,18.118 36.163,17.588 36.163,16.376 34.831,15.044 34.831,14.802 34.831,14.731 37.699,11.862 38.254,11.862 IC3.4@39.705,13.312
CAN1_TX_PB9: IC1.96 IC3.1 | length 3
  Top Layer w0.203: IC1.96@35.986,18.54 35.986,18.472 36.583,17.875 36.583,16.434 IC3.1@37.01,16.006
CAN_H: CN2.7 IC3.7 R12.2 | length 9.3
  Top Layer w0.203: IC3.7@41.762,18.962 42.061,19.261 43.899,19.261 R12.2@43.917,19.279 v1(44.907,20.269)
  Bottom Layer w0.203: v1(44.907,20.269) 46.438,21.8 CN2.7@49.84,21.8
CAN_L: CN2.8 IC3.6 R12.1 | length 8.6
  Top Layer w0.203: IC3.6@42.66,18.064 42.961,18.365 44.338,18.365 44.538,18.165 44.995,18.165 44.995,18.294 v1(45.939,19.238)
  Bottom Layer w0.203: v1(45.939,19.238) 46.009,19.238 47.772,21 CN2.8@49.84,21
DRS_CTRL: CN2.10 IC4.3 | length 9.1
  Top Layer w0.203: v1(45.226,14.692) 45.198,14.664 45.198,13.62 IC4.3@45.396,13.421
  Bottom Layer w0.203: v1(45.226,14.692) 45.226,14.752 45.489,15.015 45.489,16.914 47.975,19.4 CN2.10@49.84,19.4
DRS_CTRL_a: IC1.91 IC4.4 | length 20.9
  Top Layer w0.203: v1(31.293,18.542) 32.074,18.542 32.825,17.791 33.2,17.791 IC1.91@34.218,16.773 ; IC4.4@42.795,13.421 43.045,13.421 43.561,13.937 43.561,14.911 43.964,15.314 v1(43.964,15.37)
  Bottom Layer w0.203: v1(31.293,18.542) 31.293,17.456 32.543,16.205 43.129,16.205 v1(43.964,15.37)
DRS_PWR_8V_EN: CN2.40 IC1.5 | length 34
  Top Layer w0.203: v1(32.36,23.266) 32.392,23.299 35.39,23.299 35.918,23.827 IC1.5@35.986,23.827
  Bottom Layer w0.203: v1(32.36,23.266) 32.282,23.344 32.282,23.812 32.037,24.056 32.037,25.596 37.258,30.818 52.711,30.818 53.848,29.681 53.848,28.675 54.16,28.363 CN2.40@54.16,26.6
DSBD_PWR_EN: CN1.9 IC1.41 | length 36.8
  Top Layer w0.203: IC1.41@21.154,25.595 23.863,22.885 24.067,22.885 24.084,22.868 24.223,22.868 24.466,22.625 v1(24.576,22.625)
  Bottom Layer w0.203: CN1.9@1.84,20.2 1.988,20.348 2.568,20.348 3.277,21.057 3.277,21.672 3.555,21.95 3.555,22.752 4.8,23.998 4.8,24.703 4.8,27.103 5.587,27.889 7.187,29.489 16.652,29.489 18.202,27.94 19.04,27.102 19.156,27.102 22.563,23.695 23.666,23.695 24.153,23.208 24.153,23.065 24.576,22.642 v1(24.576,22.625)
ENERGE_METER_PWR_EN: CN1.12 IC1.62 | length 37.2
  Top Layer w0.203: IC1.62@21.861,16.066 23.106,17.311 23.106,17.33 23.901,18.125 23.901,19.304 v1(23.876,19.329)
  Bottom Layer w0.203: CN1.12@1.84,17.8 2.34,17.8 2.636,17.504 2.695,17.504 2.921,17.278 2.921,16.231 4.42,14.732 4.42,11.278 5.654,10.044 16.968,10.044 20.955,14.031 20.955,16.408 v1(23.876,19.329)
FAN1_PWR_EN: CN2.29 IC1.85 | length 39.1
  Top Layer w0.203: v1(28.423,16.739) 30.01,16.739 IC1.85@32.097,14.651
  Bottom Layer w0.203: v1(28.423,16.739) 30.505,14.656 42.53,14.656 46.945,10.24 47.005,10.181 47.086,10.181 48.773,10.159 ccw(c48.794,11.734) 48.818,10.159 50.345,10.181 50.349,10.185 50.99,10.185 51.555,10.75 51.555,12.75 51.555,14.657 52.553,15.655 52.553,16.752 53.305,17.504 53.364,17.504 53.66,17.8 CN2.29@54.16,17.8
FAN2_PWR_EN: CN2.33 IC1.98 | length 27
  Top Layer w0.203: v1(35.792,20.142) 35.795,20.142 36.69,19.248 IC1.98@36.693,19.248
  Bottom Layer w0.203: v1(35.792,20.142) 35.792,20.146 36.322,20.676 39.05,20.676 45.478,27.104 50.695,27.104 51.333,26.466 51.333,25.171 52.07,24.435 52.07,23.708 52.8,22.978 52.8,22.098 52.807,22.091 52.807,21.692 53.35,21.148 54.012,21.148 CN2.33@54.16,21
FAN3_PWR_EN: CN2.36 IC1.2 | length 25.2
  Top Layer w0.203: v1(35.89,21.931) 35.967,22.009 36.29,22.009 IC1.2@37.047,22.766
  Bottom Layer w0.203: v1(35.89,21.931) 35.955,21.996 39.365,21.996 45.184,27.815 50.99,27.815 52.089,26.716 52.089,25.457 52.781,24.765 52.781,24.003 53.236,23.548 54.012,23.548 CN2.36@54.16,23.4